# KiCad board artix-dc-scm.kicad_pcb (continued)
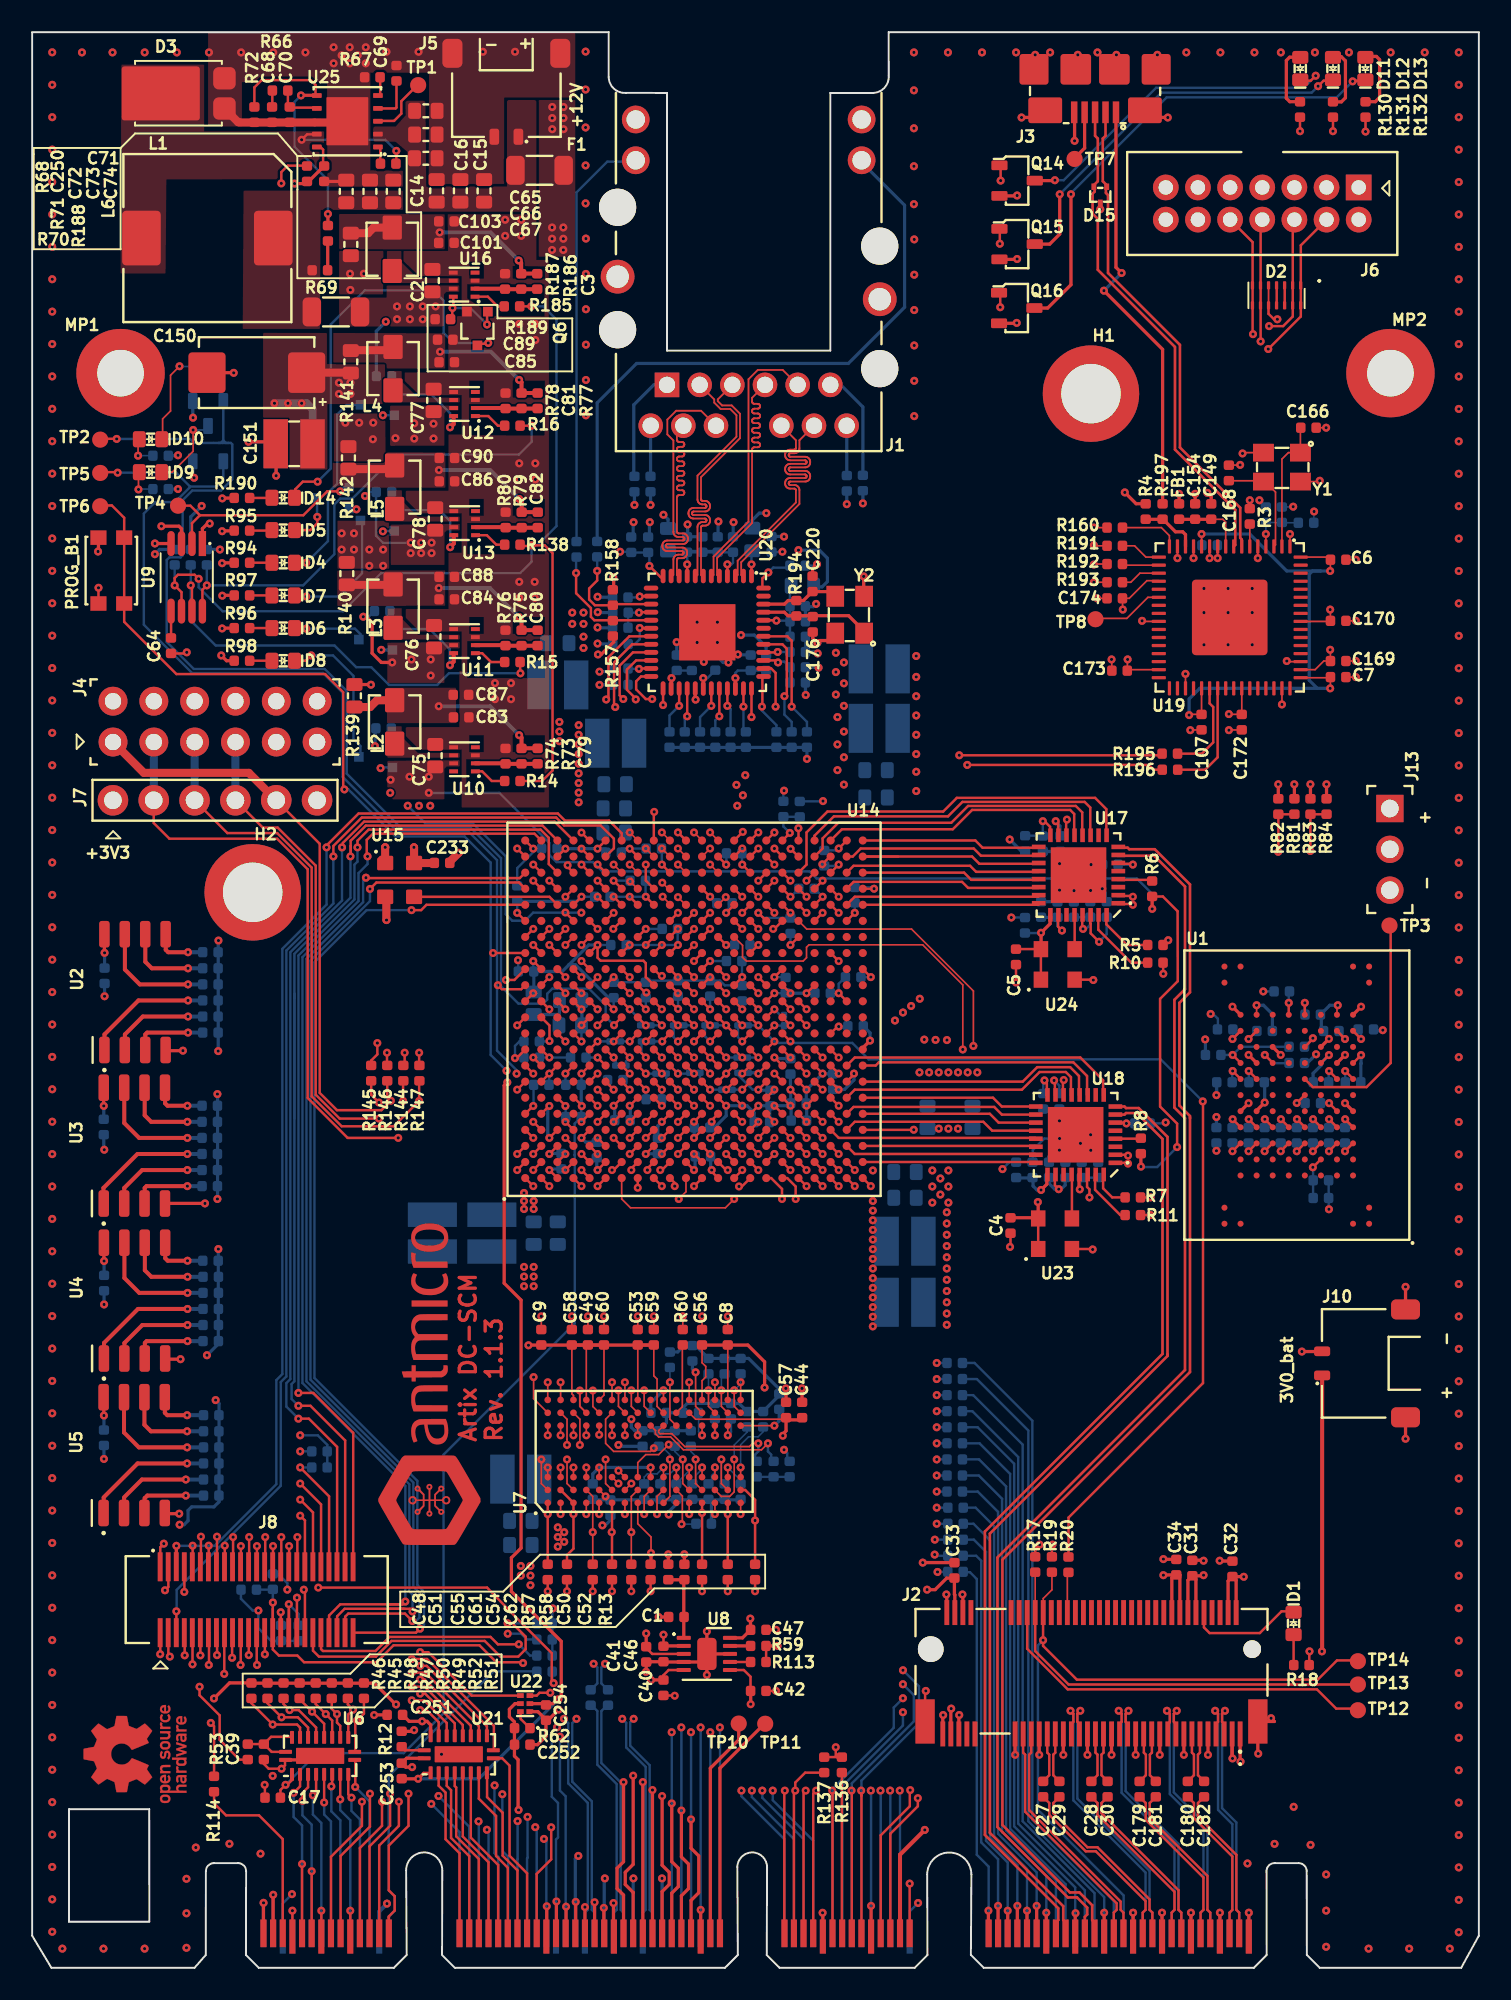
[diagram p0: board, top side]
## Routing (per net, layer and track width the routed paths; a pad name or vN(x,y) marks a point on that pad's centre or on a via; arc(x,y) is an arc through that point) (continued)
DDR3_DQ2: length 24.8
  Top w0.1: U7.F2 35.68,30.12 v4(35.68,31.62)
  Top w0.15: U14.H5 v4(37.18,52.63)
  In5.Cu w0.1: v4(37.18,52.63) 37.18,52.03 35.68,50.53 35.68,32.73 35.68,32.7 35.68,32.68 35.7,32.66 35.71,32.65 35.73,32.63 35.75,32.63 35.77,32.62 35.86,32.62 35.89,32.62 35.91,32.62 35.93,32.6 35.94,32.59 35.95,32.57 35.96,32.55 35.96,32.53 35.96,32.5 35.95,32.48 35.94,32.46 35.93,32.45 35.91,32.43 35.89,32.43 35.86,32.43 35.77,32.43 35.75,32.42 35.73,32.42 35.71,32.4 35.7,32.39 35.68,32.37 35.68,32.35 35.68,32.33 v4(35.68,31.62)
DDR3_DQ3: length 31
  Top w0.1: v3(38.68,32.33) 38.48,32.12 36.18,32.12 35.68,32.62 35.68,34.12 U7.F8
  Top w0.15: v3(39.17,48.62) 39.17,48.63 U14.J1
  In2.Cu w0.1: v3(39.17,48.62) 39.17,48.27 39.17,48.25 39.17,48.23 39.15,48.21 39.14,48.19 39.12,48.18 39.1,48.17 39.07,48.17 38.64,48.17 38.62,48.17 38.6,48.16 38.58,48.15 38.56,48.13 38.55,48.11 38.54,48.09 38.54,48.07 38.54,48.05 38.55,48.03 38.56,48.01 38.58,47.99 38.6,47.98 38.62,47.97 38.64,47.97 39.27,47.97 39.29,47.97 39.31,47.96 39.32,47.95 39.34,47.94 39.35,47.92 39.36,47.9 39.36,47.88 39.36,47.86 39.36,47.84 39.35,47.82 39.34,47.81 39.32,47.79 39.31,47.78 39.29,47.77 39.27,47.77 38.64,47.77 38.62,47.77 38.6,47.76 38.58,47.75 38.56,47.73 38.55,47.71 38.54,47.69 38.54,47.67 38.54,47.65 38.55,47.63 38.56,47.61 38.58,47.59 38.6,47.58 38.62,47.57 38.64,47.57 39.27,47.57 39.29,47.57 39.31,47.56 39.32,47.55 39.34,47.54 39.35,47.52 39.36,47.5 39.36,47.48 39.36,47.46 39.36,47.44 39.35,47.42 39.34,47.41 39.32,47.39 39.31,47.38 39.29,47.37 39.27,47.37 38.64,47.37 38.62,47.37 38.6,47.36 38.58,47.35 38.56,47.33 38.55,47.31 38.54,47.29 38.54,47.27 38.54,47.25 38.55,47.23 38.56,47.21 38.58,47.19 38.6,47.18 38.62,47.17 38.64,47.17 39.27,47.17 39.29,47.17 39.31,47.16 39.32,47.15 39.34,47.14 39.35,47.12 39.36,47.1 39.36,47.08 39.36,47.06 39.36,47.04 39.35,47.02 39.34,47.01 39.32,46.99 39.31,46.98 39.29,46.97 39.27,46.97 38.64,46.97 38.62,46.97 38.6,46.96 38.58,46.95 38.56,46.93 38.55,46.91 38.54,46.89 38.54,46.87 38.54,46.85 38.55,46.83 38.56,46.81 38.58,46.79 38.6,46.78 38.62,46.77 38.64,46.77 39.27,46.77 39.29,46.77 39.31,46.76 39.32,46.75 39.34,46.74 39.35,46.72 39.36,46.7 39.36,46.68 39.36,46.66 39.36,46.64 39.35,46.62 39.34,46.61 39.32,46.59 39.31,46.58 39.29,46.57 39.27,46.57 38.64,46.57 38.62,46.57 38.6,46.56 38.58,46.55 38.56,46.53 38.55,46.51 38.54,46.49 38.54,46.47 38.54,46.45 38.55,46.43 38.56,46.41 38.58,46.39 38.6,46.38 38.62,46.37 38.64,46.37 39.27,46.37 39.29,46.37 39.31,46.36 39.32,46.35 39.34,46.34 39.35,46.32 39.36,46.3 39.36,46.28 39.36,46.26 39.36,46.24 39.35,46.22 39.34,46.21 39.32,46.19 39.31,46.18 39.29,46.17 39.27,46.17 38.64,46.17 38.62,46.17 38.6,46.16 38.58,46.15 38.56,46.13 38.55,46.11 38.54,46.09 38.54,46.07 38.54,46.05 38.55,46.03 38.56,46.01 38.58,45.99 38.6,45.98 38.62,45.97 38.64,45.97 39.07,45.97 39.1,45.97 39.12,45.96 39.14,45.95 39.15,45.93 39.17,45.91 39.17,45.89 39.17,45.87 39.17,37.02 38.68,36.53 v3(38.68,32.33)
DDR3_DQ4: length 25
  Top w0.1: v3(39.6,32.55) 38.98,31.93 38.18,31.93 37.68,31.43 37.68,30.53
  Top w0.15: v3(39.97,48.62) 39.97,48.83 U14.K1
  In2.Cu w0.1: v3(39.97,48.62) 39.77,48.43 39.77,47.58 40.17,47.18 40.17,35.02 39.6,34.45 39.6,34.05 39.6,34.03 39.61,34.01 39.62,33.99 39.64,33.97 39.66,33.96 39.68,33.95 39.7,33.95 40.06,33.95 40.09,33.95 40.11,33.94 40.13,33.93 40.14,33.91 40.15,33.89 40.16,33.87 40.16,33.85 40.16,33.83 40.15,33.81 40.14,33.79 40.13,33.77 40.11,33.76 40.09,33.75 40.06,33.75 39.29,33.75 39.26,33.75 39.24,33.74 39.22,33.73 39.21,33.71 39.19,33.69 39.19,33.67 39.19,33.65 39.19,33.63 39.19,33.61 39.21,33.59 39.22,33.57 39.24,33.56 39.26,33.55 39.29,33.55 40.06,33.55 40.09,33.55 40.11,33.54 40.13,33.53 40.14,33.51 40.15,33.49 40.16,33.47 40.16,33.45 40.16,33.43 40.15,33.41 40.14,33.39 40.13,33.37 40.11,33.36 40.09,33.35 40.06,33.35 39.29,33.35 39.26,33.35 39.24,33.34 39.22,33.33 39.21,33.31 39.19,33.29 39.19,33.27 39.19,33.25 39.19,33.23 39.19,33.21 39.21,33.19 39.22,33.17 39.24,33.16 39.26,33.15 39.29,33.15 40.06,33.15 40.09,33.15 40.11,33.14 40.13,33.13 40.14,33.11 40.15,33.09 40.16,33.07 40.16,33.05 40.16,33.03 40.15,33.01 40.14,32.99 40.13,32.97 40.11,32.96 40.09,32.95 40.06,32.95 39.7,32.95 39.68,32.95 39.66,32.94 39.64,32.93 39.62,32.91 39.61,32.89 39.6,32.87 39.6,32.85 v3(39.6,32.55)
DDR3_DQ5: length 25
  Top w0.1: v3(37.27,35.93) 37.27,34.93 37.68,34.53
  Top w0.15: U14.H3 v3(37.18,50.62)
  In2.Cu w0.1: v3(37.18,50.62) 36.87,50.33 36.87,41.82 36.88,41.8 36.88,41.78 36.9,41.76 36.91,41.75 36.93,41.73 36.95,41.73 37,41.72 37.02,41.72 37.04,41.7 37.05,41.69 37.06,41.67 37.07,41.65 37.07,41.62 37.07,41.6 37.06,41.58 37.05,41.56 37.04,41.55 37.02,41.53 37,41.53 36.97,41.53 36.78,41.53 36.75,41.52 36.73,41.52 36.71,41.5 36.7,41.49 36.69,41.47 36.68,41.45 36.68,41.42 36.68,41.4 36.69,41.38 36.7,41.36 36.71,41.35 36.73,41.33 36.75,41.33 36.78,41.33 36.97,41.33 37,41.32 37.02,41.32 37.04,41.3 37.05,41.29 37.06,41.27 37.07,41.25 37.07,41.22 37.07,41.2 37.06,41.18 37.05,41.16 37.04,41.15 37.02,41.13 37,41.13 36.97,41.12 36.78,41.12 36.75,41.12 36.73,41.12 36.71,41.1 36.7,41.09 36.69,41.07 36.68,41.05 36.68,41.02 36.68,41 36.69,40.98 36.7,40.96 36.71,40.95 36.73,40.93 36.75,40.93 36.78,40.93 36.97,40.93 37,40.92 37.02,40.92 37.04,40.9 37.05,40.89 37.06,40.87 37.07,40.85 37.07,40.82 37.07,40.8 37.06,40.78 37.05,40.76 37.04,40.75 37.02,40.73 37,40.73 36.97,40.73 36.78,40.73 36.75,40.72 36.73,40.72 36.71,40.7 36.7,40.69 36.69,40.67 36.68,40.65 36.68,40.62 36.68,40.6 36.69,40.58 36.7,40.56 36.71,40.55 36.73,40.53 36.75,40.53 36.78,40.53 36.97,40.53 37,40.52 37.02,40.52 37.04,40.5 37.05,40.49 37.06,40.47 37.07,40.45 37.07,40.42 37.07,40.4 37.06,40.38 37.05,40.36 37.04,40.35 37.02,40.33 37,40.33 36.97,40.33 36.78,40.33 36.75,40.32 36.73,40.32 36.71,40.3 36.7,40.29 36.69,40.27 36.68,40.25 36.68,40.22 36.68,40.2 36.69,40.18 36.7,40.16 36.71,40.15 36.73,40.13 36.75,40.13 36.78,40.12 36.97,40.12 37,40.12 37.02,40.12 37.04,40.1 37.05,40.09 37.06,40.07 37.07,40.05 37.07,40.02 37.07,40 37.06,39.98 37.05,39.96 37.04,39.95 37.02,39.93 37,39.93 36.97,39.93 36.78,39.93 36.75,39.92 36.73,39.92 36.71,39.9 36.7,39.89 36.69,39.87 36.68,39.85 36.68,39.82 36.68,39.8 36.69,39.78 36.7,39.76 36.71,39.75 36.73,39.73 36.75,39.73 36.78,39.73 36.97,39.73 37,39.72 37.02,39.72 37.04,39.7 37.05,39.69 37.06,39.67 37.07,39.65 37.07,39.62 37.07,39.6 37.06,39.58 37.05,39.56 37.04,39.55 37.02,39.53 37,39.53 36.97,39.53 36.78,39.53 36.75,39.52 36.73,39.52 36.71,39.5 36.7,39.49 36.69,39.47 36.68,39.45 36.68,39.42 36.68,39.4 36.69,39.38 36.7,39.36 36.71,39.35 36.73,39.33 36.75,39.33 36.78,39.33 36.97,39.33 37,39.32 37.02,39.32 37.04,39.3 37.05,39.29 37.06,39.27 37.07,39.25 37.07,39.22 37.07,39.2 37.06,39.18 37.05,39.16 37.04,39.15 37.02,39.13 37,39.13 36.97,39.12 36.78,39.12 36.75,39.12 36.73,39.12 36.71,39.1 36.7,39.09 36.69,39.07 36.68,39.05 36.68,39.02 36.68,39 36.69,38.98 36.7,38.96 36.71,38.95 36.73,38.93 36.75,38.93 36.78,38.93 36.97,38.93 37,38.92 37.02,38.92 37.04,38.9 37.05,38.89 37.06,38.87 37.07,38.85 37.07,38.82 37.07,38.8 37.06,38.78 37.05,38.76 37.04,38.75 37.02,38.73 37,38.73 36.97,38.73 36.78,38.73 36.75,38.72 36.73,38.72 36.71,38.7 36.7,38.69 36.69,38.67 36.68,38.65 36.68,38.62 36.68,38.6 36.69,38.58 36.7,38.56 36.71,38.55 36.73,38.53 36.75,38.53 36.78,38.53 36.97,38.53 37,38.52 37.02,38.52 37.04,38.5 37.05,38.49 37.06,38.47 37.07,38.45 37.07,38.42 37.07,38.4 37.06,38.38 37.05,38.36 37.04,38.35 37.02,38.33 37,38.33 36.97,38.33 36.78,38.33 36.75,38.32 36.73,38.32 36.71,38.3 36.7,38.29 36.69,38.27 36.68,38.25 36.68,38.22 36.68,38.2 36.69,38.18 36.7,38.16 36.71,38.15 36.73,38.13 36.75,38.13 36.78,38.12 36.97,38.12 37,38.12 37.02,38.12 37.04,38.1 37.05,38.09 37.06,38.07 37.07,38.05 37.07,38.02 37.07,38 37.06,37.98 37.05,37.96 37.04,37.95 37.02,37.93 37,37.93 36.97,37.93 36.78,37.93 36.75,37.92 36.73,37.92 36.71,37.9 36.7,37.89 36.69,37.87 36.68,37.85 36.68,37.82 36.68,37.8 36.69,37.78 36.7,37.76 36.71,37.75 36.73,37.73 36.75,37.73 36.78,37.73 36.97,37.73 37,37.72 37.02,37.72 37.04,37.7 37.05,37.69 37.06,37.67 37.07,37.65 37.07,37.62 37.07,37.6 37.06,37.58 37.05,37.56 37.04,37.55 37.02,37.53 37,37.53 36.97,37.53 36.78,37.53 36.75,37.52 36.73,37.52 36.71,37.5 36.7,37.49 36.69,37.47 36.68,37.45 36.68,37.42 36.68,37.4 36.69,37.38 36.7,37.36 36.71,37.35 36.73,37.33 36.75,37.33 36.78,37.33 36.97,37.33 37,37.32 37.02,37.32 37.04,37.3 37.05,37.29 37.06,37.27 37.07,37.25 37.07,37.22 37.07,37.2 37.06,37.18 37.05,37.16 37.04,37.15 37.02,37.13 37,37.13 36.97,37.12 36.78,37.12 36.75,37.12 36.73,37.12 36.71,37.1 36.7,37.09 36.69,37.07 36.68,37.05 36.68,37.02 36.68,37 36.69,36.98 36.7,36.96 36.71,36.95 36.73,36.93 36.75,36.93 36.78,36.93 36.87,36.93 36.97,36.92 37,36.92 37.02,36.91 37.04,36.9 37.05,36.89 37.06,36.87 37.07,36.85 37.07,36.83 37.07,36.8 37.06,36.78 37.05,36.76 37.04,36.75 37.02,36.73 37,36.73 36.95,36.72 36.93,36.71 36.91,36.7 36.9,36.69 36.88,36.67 36.88,36.65 36.87,36.62 36.87,36.33 v3(37.27,35.93)
DDR3_DQ6: length 25
  Top w0.1: U7.G2 v3(37.27,30.12)
  Top w0.15: v3(37.28,49.62) 37.28,49.73 U14.H2
  In2.Cu w0.1: v3(37.27,30.12) 37.27,33.53 37.68,33.93 37.68,36.22 37.28,36.62 37.28,46.53 37.28,46.55 37.28,46.57 37.3,46.59 37.31,46.6 37.33,46.62 37.35,46.62 37.38,46.63 37.41,46.63 37.43,46.63 37.45,46.63 37.47,46.65 37.49,46.66 37.5,46.68 37.51,46.7 37.51,46.73 37.51,46.75 37.5,46.77 37.49,46.79 37.47,46.8 37.45,46.82 37.43,46.82 37.41,46.83 37.18,46.83 37.16,46.83 37.14,46.83 37.12,46.85 37.11,46.86 37.1,46.88 37.09,46.9 37.09,46.92 37.09,46.93 37.09,46.95 37.1,46.97 37.11,46.99 37.12,47 37.14,47.02 37.16,47.02 37.18,47.03 37.41,47.03 37.43,47.03 37.45,47.03 37.47,47.05 37.49,47.06 37.5,47.08 37.51,47.1 37.51,47.13 37.51,47.15 37.5,47.17 37.49,47.19 37.47,47.2 37.45,47.22 37.43,47.22 37.41,47.23 37.18,47.23 37.16,47.23 37.14,47.23 37.12,47.25 37.11,47.26 37.1,47.28 37.09,47.3 37.09,47.32 37.09,47.33 37.09,47.35 37.1,47.37 37.11,47.39 37.12,47.4 37.14,47.42 37.16,47.42 37.18,47.43 37.41,47.43 37.43,47.43 37.45,47.43 37.47,47.45 37.49,47.46 37.5,47.48 37.51,47.5 37.51,47.53 37.51,47.55 37.5,47.57 37.49,47.59 37.47,47.6 37.45,47.62 37.43,47.62 37.41,47.63 37.18,47.63 37.16,47.63 37.14,47.63 37.12,47.65 37.11,47.66 37.1,47.68 37.09,47.7 37.09,47.72 37.09,47.73 37.09,47.75 37.1,47.77 37.11,47.79 37.12,47.8 37.14,47.82 37.16,47.82 37.18,47.83 37.41,47.83 37.43,47.83 37.45,47.83 37.47,47.85 37.49,47.86 37.5,47.88 37.51,47.9 37.51,47.93 37.51,47.95 37.5,47.97 37.49,47.99 37.47,48 37.45,48.02 37.43,48.02 37.41,48.03 37.18,48.03 37.16,48.03 37.14,48.03 37.12,48.05 37.11,48.06 37.1,48.08 37.09,48.1 37.09,48.12 37.09,48.13 37.09,48.15 37.1,48.17 37.11,48.19 37.12,48.2 37.14,48.22 37.16,48.22 37.18,48.23 37.41,48.23 37.43,48.23 37.45,48.23 37.47,48.25 37.49,48.26 37.5,48.28 37.51,48.3 37.51,48.33 37.51,48.35 37.5,48.37 37.49,48.39 37.47,48.4 37.45,48.42 37.43,48.42 37.41,48.43 37.18,48.43 37.16,48.43 37.14,48.43 37.12,48.45 37.11,48.46 37.1,48.48 37.09,48.5 37.09,48.52 37.09,48.53 37.09,48.55 37.1,48.57 37.11,48.59 37.12,48.6 37.14,48.62 37.16,48.62 37.18,48.63 37.41,48.63 37.43,48.63 37.45,48.63 37.47,48.65 37.49,48.66 37.5,48.68 37.51,48.7 37.51,48.73 37.51,48.75 37.5,48.77 37.49,48.79 37.47,48.8 37.45,48.82 37.43,48.82 37.41,48.83 37.28,48.83 37.28,48.83 37.18,48.83 37.16,48.83 37.14,48.84 37.12,48.85 37.11,48.87 37.1,48.88 37.09,48.9 37.09,48.93 37.09,48.94 37.09,48.96 37.1,48.98 37.11,49 37.12,49.01 37.14,49.02 37.16,49.03 37.2,49.03 37.22,49.04 37.24,49.05 37.25,49.07 37.27,49.08 37.27,49.1 37.28,49.13 v3(37.28,49.62)
DDR3_DQ7: length 25
  Top w0.1: 37.68,33.73 v4(37.68,33.13)
  Top w0.15: U14.J5 v4(38.18,52.63)
  In5.Cu w0.1: v4(38.18,52.63) 37.68,52.13 37.68,35.23 37.68,35.2 37.68,35.18 37.7,35.16 37.71,35.15 37.73,35.13 37.75,35.13 37.77,35.12 38.16,35.12 38.19,35.12 38.21,35.12 38.23,35.1 38.24,35.09 38.25,35.07 38.26,35.05 38.26,35.03 38.26,35 38.25,34.98 38.24,34.96 38.23,34.95 38.21,34.93 38.19,34.93 38.16,34.93 36.79,34.93 36.76,34.92 36.74,34.92 36.72,34.9 36.71,34.89 36.7,34.87 36.69,34.85 36.69,34.83 36.69,34.8 36.7,34.78 36.71,34.76 36.72,34.75 36.74,34.73 36.76,34.73 36.79,34.73 38.16,34.73 38.19,34.72 38.21,34.72 38.23,34.7 38.24,34.69 38.25,34.67 38.26,34.65 38.26,34.62 38.26,34.6 38.25,34.58 38.24,34.56 38.23,34.55 38.21,34.53 38.19,34.53 38.16,34.53 37.77,34.53 37.75,34.52 37.73,34.52 37.71,34.5 37.7,34.49 37.68,34.47 37.68,34.45 37.68,34.43 v4(37.68,33.13)
DDR3_DQ8: length 21
  Top w0.1: U7.D7 v3(34.48,33.12)
  Top w0.15: U14.E3 v3(35.18,50.62)
  In2.Cu w0.1: v3(35.18,50.62) 34.77,50.23 34.77,46.62 34.77,46.6 34.77,46.58 34.75,46.56 34.74,46.55 34.72,46.53 34.7,46.53 34.68,46.53 34.4,46.53 34.38,46.52 34.36,46.52 34.34,46.5 34.32,46.49 34.31,46.47 34.3,46.45 34.3,46.43 34.3,46.4 34.31,46.38 34.32,46.36 34.34,46.35 34.36,46.33 34.38,46.33 34.4,46.33 34.86,46.33 34.88,46.32 34.9,46.32 34.92,46.31 34.93,46.29 34.94,46.28 34.95,46.26 34.95,46.24 34.95,46.21 34.95,46.19 34.94,46.17 34.93,46.16 34.92,46.14 34.9,46.13 34.88,46.13 34.86,46.12 34.4,46.12 34.38,46.12 34.36,46.12 34.34,46.1 34.32,46.09 34.31,46.07 34.3,46.05 34.3,46.03 34.3,46 34.31,45.98 34.32,45.96 34.34,45.95 34.36,45.93 34.38,45.93 34.4,45.93 34.68,45.93 34.7,45.92 34.72,45.92 34.74,45.9 34.75,45.89 34.77,45.87 34.77,45.85 34.77,45.83 34.77,34.03 U7.D7 v3(34.48,33.12)
DDR3_DQ9: length 21
  Top w0.1: 33.68,30.53 v4(33.68,31.12)
  Top w0.15: U14.B2 v4(31.18,49.62)
  In5.Cu w0.1: v4(31.18,49.62) 32.27,48.53 32.27,48.12 32.27,48.11 32.27,48.09 32.26,48.07 32.24,48.06 32.23,48.05 32.21,48.04 32.17,48.04 32.16,48.03 32.14,48.02 32.13,48.01 32.12,48 32.11,47.98 32.11,47.96 32.11,47.93 32.11,47.91 32.12,47.89 32.13,47.87 32.14,47.86 32.16,47.85 32.17,47.84 32.21,47.84 32.23,47.83 32.24,47.82 32.26,47.81 32.27,47.8 32.27,47.78 32.27,47.76 32.27,33.03 33.68,31.62 v4(33.68,31.12)
DDR3_DQ10: length 23.2
  Top w0.1: 33.68,34.53 34.07,34.12 v3(34.07,32.53)
  Top w0.15: U14.F3 v3(35.18,51.63)
  In2.Cu w0.1: v3(34.07,32.53) 34.07,46.73 34.08,46.75 34.08,46.77 34.1,46.79 34.11,46.8 34.13,46.82 34.15,46.82 34.18,46.83 34.37,46.83 34.4,46.83 34.42,46.83 34.44,46.85 34.45,46.86 34.46,46.88 34.47,46.9 34.47,46.93 34.47,46.95 34.46,46.97 34.45,46.99 34.44,47 34.42,47.02 34.4,47.02 34.37,47.03 34.07,47.03 34.07,47.08 34.02,47.08 34.01,47.08 34,47.08 33.99,47.09 33.99,47.09 33.98,47.1 33.98,47.11 33.98,47.12 33.98,47.23 33.98,47.24 33.98,47.25 33.99,47.26 33.99,47.26 34,47.27 34.01,47.27 34.04,47.28 34.05,47.28 34.06,47.29 34.06,47.29 34.07,47.3 34.07,47.31 34.07,47.33 34.07,47.62 34.57,48.12 34.57,51.03 v3(35.18,51.63)
DDR3_DQ11: length 26
  Top w0.1: v3(33.27,31.62) 33.27,30.12 33.68,29.73
  Top w0.15: U14.D2 v3(33.18,49.62)
  In2.Cu w0.1: v3(33.18,49.62) 33.18,47.33 33.17,47.3 33.17,47.28 33.15,47.26 33.14,47.25 33.12,47.23 33.1,47.23 33.07,47.23 33,47.23 32.97,47.22 32.95,47.22 32.93,47.2 32.92,47.19 32.91,47.17 32.9,47.15 32.9,47.12 32.9,47.1 32.91,47.08 32.92,47.06 32.93,47.05 32.95,47.03 32.97,47.03 33,47.03 33.35,47.03 33.38,47.02 33.4,47.02 33.42,47 33.43,46.99 33.44,46.97 33.45,46.95 33.45,46.93 33.45,46.9 33.44,46.88 33.43,46.86 33.42,46.85 33.4,46.83 33.38,46.83 33.35,46.83 33,46.83 32.97,46.82 32.95,46.82 32.93,46.8 32.92,46.79 32.91,46.77 32.9,46.75 32.9,46.73 32.9,46.7 32.91,46.68 32.92,46.66 32.93,46.65 32.95,46.63 32.97,46.63 33,46.62 33.35,46.62 33.38,46.62 33.4,46.62 33.42,46.6 33.43,46.59 33.44,46.57 33.45,46.55 33.45,46.53 33.45,46.5 33.44,46.48 33.43,46.46 33.42,46.45 33.4,46.43 33.38,46.43 33.35,46.43 33,46.43 32.97,46.42 32.95,46.42 32.93,46.4 32.92,46.39 32.91,46.37 32.9,46.35 32.9,46.33 32.9,46.3 32.91,46.28 32.92,46.26 32.93,46.25 32.95,46.23 32.97,46.23 33,46.23 33.35,46.23 33.38,46.22 33.4,46.22 33.42,46.2 33.43,46.19 33.44,46.17 33.45,46.15 33.45,46.12 33.45,46.1 33.44,46.08 33.43,46.06 33.42,46.05 33.4,46.03 33.38,46.03 33.35,46.03 33,46.03 32.97,46.02 32.95,46.02 32.93,46 32.92,45.99 32.91,45.97 32.9,45.95 32.9,45.93 32.9,45.9 32.91,45.88 32.92,45.86 32.93,45.85 32.95,45.83 32.97,45.83 33,45.83 33.35,45.83 33.38,45.82 33.4,45.82 33.42,45.8 33.43,45.79 33.44,45.77 33.45,45.75 33.45,45.73 33.45,45.7 33.44,45.68 33.43,45.66 33.42,45.65 33.4,45.63 33.38,45.63 33.35,45.62 33,45.62 32.97,45.62 32.95,45.62 32.93,45.6 32.92,45.59 32.91,45.57 32.9,45.55 32.9,45.53 32.9,45.5 32.91,45.48 32.92,45.46 32.93,45.45 32.95,45.43 32.97,45.43 33,45.43 33.35,45.43 33.38,45.42 33.4,45.42 33.42,45.4 33.43,45.39 33.44,45.37 33.45,45.35 33.45,45.33 33.45,45.3 33.44,45.28 33.43,45.26 33.42,45.25 33.4,45.23 33.38,45.23 33.35,45.23 33.27,45.23 33.25,45.22 33.23,45.22 33.21,45.2 33.2,45.19 33.18,45.17 33.18,45.15 33.18,45.12 33.18,34.53 32.47,33.82 32.47,32.43 v3(33.27,31.62)
DDR3_DQ12: length 21
  Top w0.1: U7.A7 32.07,33.13 v3(32.07,33.12)
  Top w0.15: U14.C2 v3(33.18,50.62)
  In2.Cu w0.1: v3(33.18,50.62) U14.C2 32.68,48.43 32.67,48.4 32.67,48.38 32.65,48.36 32.64,48.35 32.62,48.33 32.6,48.33 32.57,48.33 32.5,48.33 32.48,48.32 32.46,48.32 32.44,48.3 32.43,48.29 32.41,48.27 32.41,48.25 32.4,48.23 32.41,48.2 32.41,48.18 32.43,48.16 32.44,48.15 32.46,48.13 32.48,48.13 32.5,48.12 32.85,48.12 32.87,48.12 32.89,48.12 32.91,48.1 32.92,48.09 32.94,48.07 32.94,48.05 32.95,48.03 32.94,48 32.94,47.98 32.92,47.96 32.91,47.95 32.89,47.93 32.87,47.93 32.85,47.93 32.5,47.93 32.48,47.92 32.46,47.92 32.44,47.9 32.43,47.89 32.41,47.87 32.41,47.85 32.4,47.83 32.41,47.8 32.41,47.78 32.43,47.76 32.44,47.75 32.46,47.73 32.48,47.73 32.5,47.73 32.85,47.73 32.87,47.72 32.89,47.72 32.91,47.7 32.92,47.69 32.94,47.67 32.94,47.65 32.95,47.62 32.94,47.6 32.94,47.58 32.92,47.56 32.91,47.55 32.89,47.53 32.87,47.53 32.85,47.53 32.77,47.53 32.75,47.52 32.73,47.52 32.71,47.5 32.7,47.49 32.68,47.47 32.68,47.45 32.68,47.43 32.68,34.53 32.07,33.92 v3(32.07,33.12)
DDR3_DQ13: length 21
  Top w0.1: U7.A2 31.68,30.12 v4(31.68,31.62)
  Top w0.15: U14.A1 v4(31.18,48.62)
  In5.Cu w0.1: v4(31.68,31.62) 31.68,46.33 31.67,46.35 31.67,46.37 31.65,46.39 31.64,46.4 31.62,46.42 31.6,46.42 31.57,46.43 31.18,46.43 31.16,46.43 31.14,46.43 31.12,46.45 31.1,46.46 31.09,46.48 31.08,46.5 31.08,46.53 31.08,46.55 31.09,46.57 31.1,46.59 31.12,46.6 31.14,46.62 31.16,46.62 31.18,46.62 31.57,46.62 31.6,46.63 31.62,46.63 31.64,46.65 31.65,46.66 31.67,46.68 31.67,46.7 31.68,46.73 31.68,48.12 v4(31.18,48.62)
DDR3_DQ14: length 23.2
  Top w0.1: v3(33.28,32.53) 33.27,34.13 U7.B8
  Top w0.15: U14.E2 v3(34.18,50.62)
  In2.Cu w0.1: v3(33.27,32.53) 33.27,34.03 33.68,34.43 33.68,43.83 33.67,43.85 33.67,43.87 33.65,43.89 33.64,43.9 33.62,43.92 33.6,43.92 33.57,43.93 33.5,43.93 33.48,43.93 33.46,43.93 33.44,43.95 33.42,43.96 33.41,43.98 33.4,44 33.4,44.03 33.4,44.05 33.41,44.07 33.42,44.09 33.44,44.1 33.46,44.12 33.48,44.12 33.5,44.12 33.76,44.12 33.78,44.13 33.8,44.13 33.82,44.14 33.83,44.16 33.84,44.17 33.85,44.19 33.85,44.21 33.85,44.24 33.85,44.26 33.84,44.28 33.83,44.29 33.82,44.31 33.8,44.32 33.78,44.32 33.76,44.33 33.5,44.33 33.48,44.33 33.46,44.33 33.44,44.35 33.42,44.36 33.41,44.38 33.4,44.4 33.4,44.43 33.4,44.45 33.41,44.47 33.42,44.49 33.44,44.5 33.46,44.52 33.48,44.52 33.5,44.53 33.76,44.53 33.78,44.53 33.8,44.53 33.82,44.54 33.83,44.56 33.84,44.57 33.85,44.59 33.85,44.61 33.85,44.64 33.85,44.66 33.84,44.68 33.83,44.69 33.82,44.71 33.8,44.72 33.78,44.72 33.76,44.73 33.5,44.73 33.48,44.73 33.46,44.73 33.44,44.75 33.42,44.76 33.41,44.78 33.4,44.8 33.4,44.83 33.4,44.85 33.41,44.87 33.42,44.89 33.44,44.9 33.46,44.92 33.48,44.92 33.5,44.93 33.57,44.93 33.6,44.93 33.62,44.93 33.64,44.95 33.65,44.96 33.67,44.98 33.67,45 33.68,45.03 33.68,50.12 v3(34.18,50.62)
DDR3_DQ15: length 21
  Top w0.1: U7.A3 v3(32.07,31.12)
  Top w0.15: U14.B1 v3(32.18,48.62)
  In2.Cu w0.1: v3(32.07,31.12) 32.07,32.12 31.57,32.62 31.57,33.83 32.18,34.43 32.18,46.83 32.17,46.85 32.17,46.87 32.15,46.89 32.14,46.9 32.12,46.92 32.1,46.92 32.07,46.93 31.83,46.93 31.81,46.93 31.78,46.93 31.77,46.95 31.75,46.96 31.74,46.98 31.73,47 31.73,47.03 31.73,47.05 31.74,47.07 31.75,47.09 31.77,47.1 31.78,47.12 31.81,47.12 31.83,47.12 32.25,47.12 32.26,47.13 32.28,47.13 32.29,47.14 32.31,47.15 32.31,47.17 32.32,47.18 32.32,47.2 32.32,47.25 32.32,47.27 32.31,47.28 32.31,47.3 32.29,47.31 32.28,47.32 32.26,47.32 32.25,47.33 31.83,47.33 31.81,47.33 31.78,47.33 31.77,47.35 31.75,47.36 31.74,47.38 31.73,47.4 31.73,47.43 31.73,47.45 31.74,47.47 31.75,47.49 31.77,47.5 31.78,47.52 31.81,47.52 31.83,47.53 32.07,47.53 32.1,47.53 32.12,47.53 32.14,47.55 32.15,47.56 32.17,47.58 32.17,47.6 32.18,47.62 v3(32.18,48.62)
DDR3_DQS0_N: length 24.9
  Top w0.1: U7.G3 v4(36.48,30.93)
  Top w0.15: U14.J2 38.27,49.72 v4(38.27,49.62)
  In5.Cu w0.1: v4(38.27,49.62) 38.57,49.32 38.57,49.23 38.57,49.2 38.57,49.18 38.55,49.16 38.54,49.15 38.52,49.13 38.5,49.13 38.48,49.12 38.16,49.12 38.09,49.12 38.04,49.1 37.98,49.06 37.94,49.02 37.9,48.96 37.88,48.91 37.87,48.84 37.87,48.81 37.88,48.74 37.9,48.69 37.94,48.63 37.98,48.59 38.04,48.55 38.09,48.53 38.16,48.53 38.87,48.53 38.87,48.33 38.16,48.33 38.09,48.32 38.04,48.3 37.98,48.26 37.94,48.22 37.9,48.16 37.88,48.11 37.87,48.04 37.87,48.01 37.88,47.94 37.9,47.89 37.94,47.83 37.98,47.79 38.04,47.75 38.09,47.73 38.16,47.73 38.48,47.73 38.5,47.72 38.52,47.72 38.54,47.7 38.55,47.69 38.57,47.67 38.57,47.65 38.57,47.62 38.57,32.12 37.52,31.07 37.56,31.11 37.54,31.09 37.52,31.08 37.5,31.08 37.48,31.08 37.45,31.08 37.43,31.09 37.42,31.11 37.37,31.15 37.35,31.17 37.33,31.18 37.31,31.18 37.29,31.18 37.27,31.18 37.25,31.17 37.23,31.15 37.22,31.14 37.21,31.12 37.2,31.09 37.2,31.07 37.21,31.05 37.22,31.03 37.23,31.01 37.27,30.97 37.29,30.95 37.3,30.93 37.3,30.91 37.3,30.88 37.3,30.86 37.29,30.84 37.27,30.83 37.18,30.73 36.68,30.73 v4(36.48,30.93)
DDR3_DQS0_P: length 25
  Top w0.1: U7.F3 v4(36.48,30.12)
  Top w0.15: v4(39.07,49.62) 39.18,49.62 U14.K2
  In5.Cu w0.1: v4(36.48,30.12) 36.77,30.43 37.16,30.43 38.77,32.04 38.77,47.64 38.77,47.71 38.75,47.76 38.71,47.82 38.67,47.86 38.61,47.9 38.56,47.92 38.49,47.93 38.18,47.93 38.15,47.93 38.13,47.93 38.11,47.95 38.1,47.96 38.08,47.98 38.08,48 38.07,48.03 38.08,48.05 38.08,48.07 38.1,48.09 38.11,48.1 38.13,48.12 38.15,48.12 38.18,48.12 38.89,48.12 38.93,48.13 38.97,48.14 39,48.17 39.03,48.2 39.06,48.23 39.07,48.27 39.07,48.31 39.07,48.54 39.07,48.58 39.06,48.62 39.03,48.65 39,48.68 38.97,48.71 38.93,48.72 38.89,48.73 38.18,48.73 38.15,48.73 38.13,48.73 38.11,48.75 38.1,48.76 38.08,48.78 38.08,48.8 38.07,48.83 38.08,48.85 38.08,48.87 38.1,48.89 38.11,48.9 38.13,48.92 38.15,48.92 38.18,48.93 38.49,48.93 38.56,48.93 38.61,48.95 38.67,48.99 38.71,49.03 38.75,49.09 38.77,49.14 38.77,49.21 38.77,49.33 v4(39.07,49.62)
DDR3_DQS1_N: length 21
  Top w0.1: U7.B7 v4(32.87,33.12)
  Top w0.15: U14.D1 v4(34.18,48.62)
  In5.Cu w0.1: v4(34.18,48.62) 34.18,48.03 34.07,47.93 34.06,47.91 34.04,47.9 34.02,47.9 33.99,47.9 33.97,47.9 33.95,47.91 33.93,47.93 33.58,48.28 33.56,48.29 33.54,48.3 33.52,48.31 33.5,48.31 33.47,48.3 33.45,48.29 33.44,48.28 33.42,48.26 33.41,48.24 33.41,48.22 33.41,48.2 33.41,48.18 33.42,48.16 33.44,48.14 33.79,47.78 33.81,47.77 33.82,47.75 33.82,47.72 33.82,47.7 33.82,47.68 33.81,47.66 33.79,47.64 33.18,47.03 33.18,35.21 33.17,35.19 33.17,35.17 33.16,35.16 33.14,35.14 33.13,35.13 33.11,35.13 33.09,35.12 32.97,35.12 32.91,35.12 32.85,35.1 32.8,35.07 32.76,35.02 32.73,34.97 32.71,34.91 32.7,34.85 32.7,34.8 32.71,34.74 32.73,34.68 32.76,34.63 32.8,34.58 32.85,34.55 32.91,34.53 32.97,34.53 34.05,34.53 34.07,34.52 34.09,34.52 34.11,34.5 34.13,34.49 34.14,34.47 34.15,34.45 34.15,34.43 34.15,34.4 34.14,34.38 34.13,34.36 34.11,34.35 34.09,34.33 34.07,34.33 34.05,34.33 33.46,34.33 33.39,34.32 33.34,34.3 33.28,34.26 33.24,34.22 33.2,34.16 33.18,34.11 33.18,34.04 33.18,33.43 v4(32.87,33.12)
DDR3_DQS1_P: length 21
  Top w0.1: 33.68,33.73 v4(33.68,33.12)
  Top w0.15: U14.E1 v4(34.18,49.62)
  In5.Cu w0.1: v4(33.68,33.12) 33.37,33.42 33.37,34.03 33.38,34.05 33.38,34.07 33.4,34.09 33.41,34.1 33.43,34.12 33.45,34.12 33.48,34.12 34.07,34.12 34.13,34.13 34.19,34.15 34.24,34.19 34.29,34.23 34.32,34.29 34.34,34.34 34.35,34.41 34.35,34.44 34.34,34.51 34.32,34.56 34.29,34.62 34.24,34.66 34.19,34.7 34.13,34.72 34.07,34.73 32.99,34.73 32.97,34.73 32.95,34.73 32.93,34.74 32.92,34.76 32.91,34.77 32.9,34.79 32.9,34.81 32.9,34.84 32.9,34.86 32.91,34.88 32.92,34.89 32.93,34.91 32.95,34.92 32.97,34.92 32.99,34.93 33.1,34.93 33.16,34.93 33.22,34.95 33.27,34.98 33.32,35.03 33.35,35.08 33.37,35.14 33.37,35.2 33.37,46.93 34.57,48.12 34.57,49.23 v4(34.18,49.62)
DDR3_ODT: length 25.5
  Top w0.1: v2(39.68,31.62) 39.68,29.33 U7.K1
  Top w0.15: U14.K4 v3(39.18,51.63)
  In2.Cu w0.1: 39.68,31.73 39.68,31.91 38.87,32.71 38.87,36.33 39.57,37.02 39.57,48.82 39.57,51.23 v3(39.18,51.63)
  Bottom w0.1: 38.98,32.44 39.16,32.44 39.68,31.93 v2(39.68,31.62)
DDR3_RAS: length 26.6
  Top w0.1: U7.J3 v2(38.48,31.12)
  Top w0.15: U14.J4 v3(38.18,51.63)
  In2.Cu w0.1: v2(38.48,31.12) 38.07,31.53 38.07,36.11 37.77,36.41 37.77,51.22 v3(38.18,51.63)
  Bottom w0.2: v2(38.48,31.12) 35.27,31.12 34.87,30.73 34.87,30.11
DDR3_RESET: length 34.4
  Top w0.1: v4(43.68,47.83) 43.13,47.28 37.23,47.28 36.68,47.83 U14.G1